# Altium PCB Mynd_Main.PcbDoc (part 2 of 5) (continued)
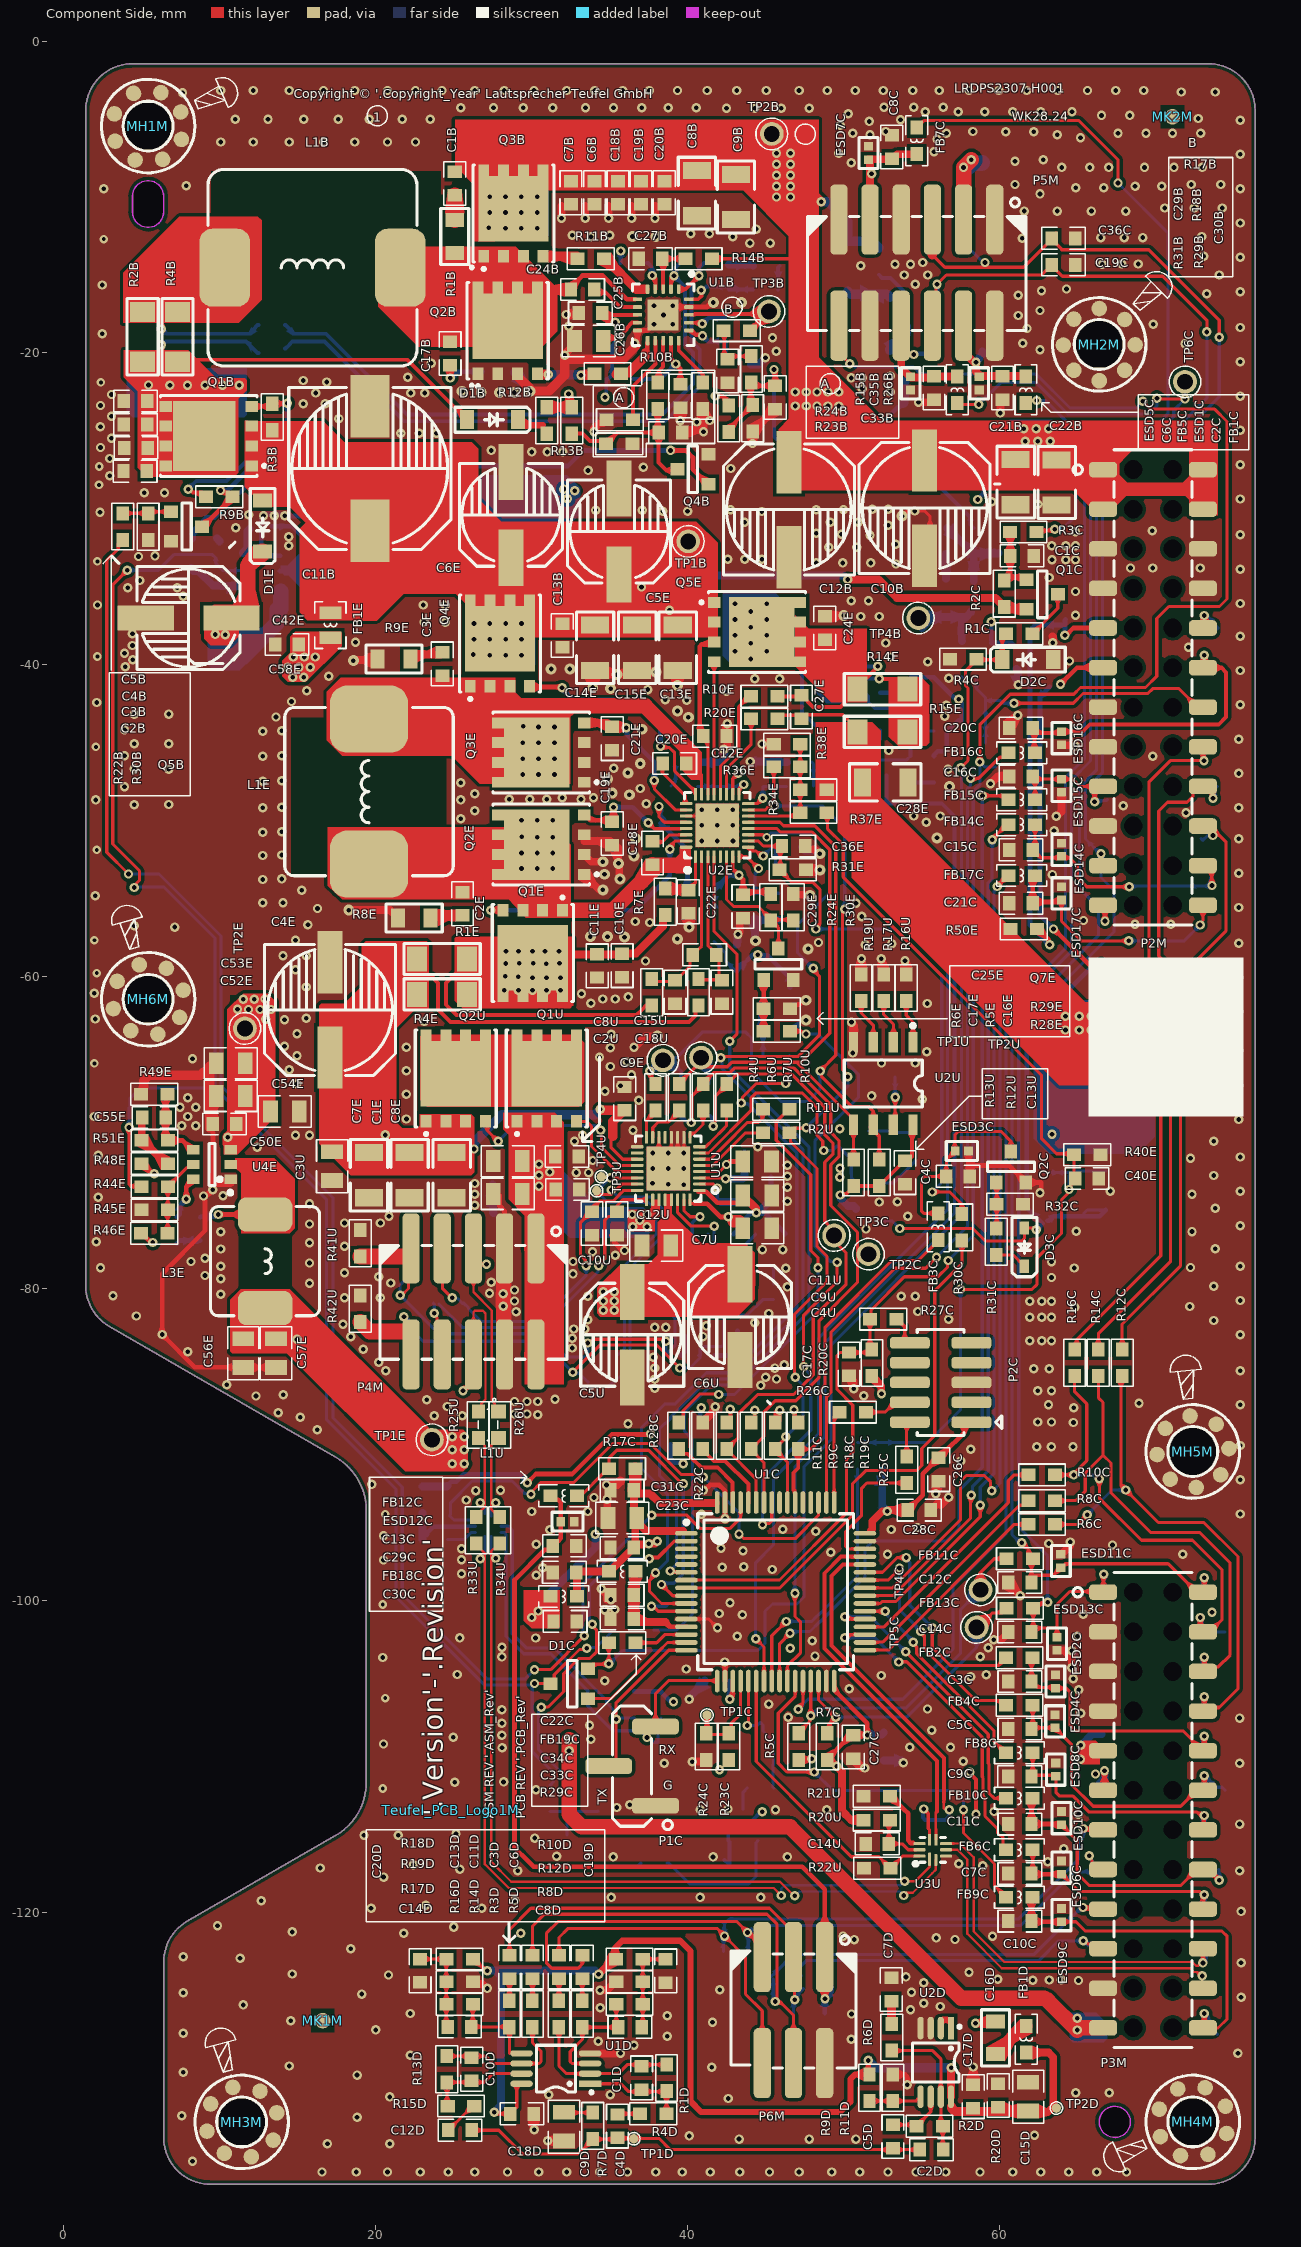
[diagram p0: Component Side view]
## Part data (continued)
R28B: library part Q-001-0991-2, "SMD RES. 54.9KOhm 1/10W 1% 0603", Manufacturer=Multi-Sourced, Temp_Coefficient=150ppm, Tolerance=1%, Part_Number=Generic, Part_Type="Resistor SMT", Wattage=1/10W
R29B: library part Q-001-0041-24, "GPHF SMD RES. 7.5KOHM 1/10W 1% 0603", Manufacturer=Multi-Sourced, Temp_Coefficient=150ppm, Tolerance=1%, Part_Number=Generic, Part_Type="Resistor SMT", Wattage=1/10W
R30E: library part Q-001-0703-20, "PS SMD RES. 220KOHM 1/10W 1% 0603", Manufacturer=Multi-Sourced, Temp_Coefficient=150ppm, Tolerance=1%, Part_Number=Generic, Part_Type="Resistor SMT", Wattage=1/10W
R31C R37C R38C R39C R40C: library part Q-001-0036-49, "PS SMD RES. 10KOHM 1/10W 1% 0603", Manufacturer=Multi-Sourced, Temp_Coefficient=150ppm, Tolerance=1%, Part_Number=Generic, Part_Type="Resistor SMT", Wattage=1/10W
R31E: library part Q-001-0390-19, "PS SMD RES. 30.1KOHM 1/10W 1% 0603", Manufacturer=Multi-Sourced, Temp_Coefficient=150ppm, Tolerance=1%, Part_Number=Generic, Part_Type="Resistor SMT", Wattage=1/10W
R32B: library part Q-001-0577-19, "PS SMD RES. 330OHM 1/4W 5% 1206", Manufacturer=Multi-Sourced, Temp_Coefficient=150ppm, Tolerance=5%, Part_Number=Generic, Part_Type="Resistor SMT", Wattage=1/4W
R32E: library part Q-001-0986-2, "SMD RES. 137KOhm 1/10W 1% 0603", Manufacturer=Multi-Sourced, Temp_Coefficient=150ppm, Tolerance=1%, Part_Number=Generic, Part_Type="Resistor SMT", Wattage=1/10W
R34B: library part Q-001-0062-23, "PS SMD RES. 1MOHM 1/10W 5% 0603", Manufacturer=Multi-Sourced, Temp_Coefficient=150ppm, Tolerance=5%, Part_Number=Generic, Part_Type="Resistor SMT", Wattage=1/10W
R34E R36E: library part Q-001-0421-14, "PS SMD RES. 2Mohm 1/10W 1% 0603", Manufacturer=Multi-Sourced, Temp_Coefficient=150ppm, Tolerance=1%, Part_Number=Generic, Part_Type="Resistor SMT", Wattage=1/10W
R35C: library part Q-001-0388-45, "GPHF SMD RES. 33KOHM 1/10W 1% 0603", Manufacturer=Multi-Sourced, Temp_Coefficient=150ppm, Tolerance=1%, Part_Number=Generic, Part_Type="Resistor SMT", Wattage=1/10W
R35U R36U: library part Q-001-1001-6, "GPHF SMD RES. 249KOhm 1/16W 1% 0402", Manufacturer=Multi-Sourced, Temp_Coefficient=150ppm, Tolerance=1%, Part_Number=Generic, Part_Type="Resistor SMT", Wattage=1/16W
R36C: library part Q-001-0044-22, "GPHF SMD RES. 1MOHM 1/10W 1% 0603", Manufacturer=Multi-Sourced, Temp_Coefficient=150ppm, Tolerance=1%, Part_Number=Generic, Part_Type="Resistor SMT", Wattage=1/10W
R37B: library part Q-001-0202-22, "GPHF SMD RES. 180OHM 1/10W 5% 0603", Manufacturer=Multi-Sourced, Temp_Coefficient=150ppm, Tolerance=5%, Part_Number=Generic, Part_Type="Resistor SMT", Wattage=1/10W
R38E: library part Q-001-0103-19, "PS SMD RES. 560KOHM 1/10W 5% 0603", Manufacturer=Multi-Sourced, Temp_Coefficient=150ppm, Tolerance=1%, Part_Number=Generic, Part_Type="Resistor SMT", Wattage=1/10W
R39U R40U: library part Q-001-0226-61, "GPHF SMD RES. 1MOHM 1/16W 1% 0402", Manufacturer=Multi-Sourced, Temp_Coefficient=150ppm, Tolerance=1%, Part_Number=Generic, Part_Type="Resistor SMT", Wattage=1/16W
R48E: library part Q-001-0483-22, "GPHF SMD RES. 6.8KOHM 1/10W 1% 0603", Manufacturer=Multi-Sourced, Temp_Coefficient=150ppm, Tolerance=1%, Part_Number=Generic, Part_Type="Resistor SMT", Wattage=1/10W
R49E: library part Q-001-0312-26, "PS SMD RES. 13.3KOHM 1/10W 1% 0603", Manufacturer=Multi-Sourced, Temp_Coefficient=150ppm, Tolerance=1%, Part_Number=Generic, Part_Type="Resistor SMT", Wattage=1/10W
Teufel_ASM_Label1M: library part CMP-00088-2, "Teufel_ASM_Rev"
Teufel_Copyright1M: library part CMP-00086-3, "Teufel_Copyright_Year"
Teufel_PCB_Label1M: library part CMP-00087-3, "Teufel_PCB_Label"
Teufel_PCB_Logo1M: library part "Teufel NoLogo", "Teufel PCB NoLogo"
TP1B TP1E TP1U TP2B TP2C TP2E TP2U TP3B TP3C TP4B TP4C TP5C TP6C: library part CMP-00089-1, "Test Point", Design Item ID=TP
TP1C TP1D TP2D TP3U TP4U: library part N-001-00007-3, "Test Point", Design Item ID=TP
TP1M TP2M TP3M TP4M TP5M TP6M TP7C TP7M TP8C TP8M TP9C TP9M TP10M TP11M TP12M TP13M TP14M TP15M TP16M TP17M TP18M TP19M TP20M TP21M TP22M TP23M TP24M TP25M TP26M TP27M TP28M TP29M TP30M TP31M TP32M TP33M TP34M TP35M TP36M TP37M TP38M TP39M TP40M TP41M TP42M TP43M TP44M TP45M TP46M TP47M TP48M TP49M TP50M TP51M TP52M TP53M TP54M TP55M TP56M TP57M TP58M TP59M TP60M TP61M TP62M TP63M TP64M TP65M TP66M TP67M TP68M TP69M: library part N-001-00010-2, "Test Point", Design Item ID=TP
U1B: library part R-001-1799-2, "SMD IC 20P VQFN LM51231QRGRRQ1 TI", Manufacturer=TI, Part_Number=LM51231QRGRRQ1, Part_Type="Semiconductor Integrated Circuit SMT"
U1C: library part R-001-1651-2, "SMD IC 64P LQFP STM32F072RBT6 ST", Manufacturer=ST, Part_Number=STM32F072RBT6, Part_Type="Semiconductor Integrated Circuit SMT"
U1D U2D: library part R-001-1647-2, "SMD IC 8P MSOP SGM358YMS SGMICRO", Manufacturer=SGMICRO, Part_Number=SGM358YMS, Part_Type="Semiconductor Integrated Circuit SMT"
U1E: library part R-001-1947-2, "SMD IC 6P SOT-23 INA181A1IDBVR TI", Manufacturer=TI, Part_Number=INA181A1IDBVR, Part_Type="Semiconductor Integrated Circuit SMT"
U1U: library part R-001-1946-2, "SMD IC 32P VQFN PTPS25751SRSMR TI", Manufacturer=TI, Part_Number=PTPS25751SRSMR, Part_Type="Semiconductor Integrated Circuit SMT"
U2B: library part R-001-0727-13, "GP SMD IC 5P SOT23 SGM7SZ14YN5G/TR SGMICRO", Manufacturer=[SGMICRO], Part_Number=SGM7SZ14YN5G/TR, Part_Type="Semiconductor Integrated Circuit SMT"
U2E: library part R-001-0379-14, "GP SMD IC 32P WQFN BQ25713RSNR TI", Manufacturer=[TI], Part_Number=BQ25713RSNR, Part_Type="Semiconductor Integrated Circuit SMT"
U2U: library part R-001-2127-2, "SMD IC 8P SOP8 FT24C512A-TSR-T", Manufacturer=HUIMANG, Part_Number=FT24C512A-TSR-T, Part_Type="Semiconductor Integrated Circuit SMT"
U3E: library part R-001-0804-28, "GP SMD IC 6P SOT-23 TPS562201DDCR TI", Manufacturer=[TI], Part_Number=TPS562201DDCR, Part_Type="Semiconductor Integrated Circuit SMT"
U3U U4U: library part R-001-1355-8, "GS SMD IC 10P UTQFN SGM7227YUWQ10G SGMICRO", Manufacturer=[SGMICRO], Part_Number=SGM7227YUWQ10G, Part_Type="Semiconductor Integrated Circuit SMT"
U4E: library part R-001-1009-19, "GP SMD IC 6P SOP-23 TPS54302DDCR TI", Manufacturer=[TI], Part_Number=TPS54302DDCR, Part_Type="Semiconductor Integrated Circuit SMT"

## Via types
v1: diameter 0.6, hole 0.3, Component Side to Solder Side, tented both sides, 1239 vias
v2: diameter 0.61, hole 0.305, Component Side to Solder Side, tented both sides, 110 vias
v3: diameter 0.7, hole 0.3, Component Side to Solder Side, tented both sides, 50 vias
v4: diameter 0.55, hole 0.25, Component Side to Solder Side, tented both sides, 15 vias
v5: diameter 0.65, hole 0.3, Component Side to Solder Side, tented both sides, 2 vias
v6: diameter 0.55, hole 0.3, Component Side to Solder Side, tented both sides, 1 vias

## Nets (pads, with @x,y where several pads share a name; then routed paths per layer and width w, separated by ;. In a path a pad name is that pad's centre, name@x,y a point inside that pad or via, vN(x,y) a via of type N, cw(c..) or ccw(c..) an arc to the next point about the centre after c; other vN are vias at no path point)
3V3_ADet: C15D.2 C16D.1 C17D.1 C18D.1 FB1D.2 R9D.1 R10D.1 R18D.1 TP2D.1 U1D.8 U2D.8 | length 71.9
  Component Side w0.2: R18D.1@26.275,-123.005 v1@26.94,-123.669 ; v1(27.592,-132.832) 27.69,-132.93 C18D.1@28.575,-132.93 ; C18D.1@28.63,-132.93 29.042,-132.518 U1D.8@29.042,-130.996 ; R9D.1@51.592,-130.407 v1(51.592,-129.507)
  Component Side w0.4: R10D.1@35.249,-123.014 35.342,-122.922 35.342,-122.307 35.817,-121.832 39.517,-121.832 40.192,-122.507 40.192,-132.142 40.858,-132.808 49.784,-132.808 50.442,-132.15 50.442,-130.707 50.742,-130.407 51.592,-130.407 R9D.1@51.667,-130.407
  Component Side w0.5: v1(34.292,-123.972) R10D.1@35.249,-123.014 ; U2D.8@56.892,-131.832 v1@56.892,-130.007 ; C16D.1@59.867,-132.832 C16D.1@59.917,-132.782 ; FB1D.2@61.717,-129.007 63.158,-129.007 63.451,-129.3 63.451,-132.338 63.651,-132.538 TP2D.1@63.651,-132.565 ; C15D.2@61.842,-132.782 61.892,-132.832 63.092,-132.832 TP2D.1@63.417,-132.507
  Component Side w0.6: v1@56.892,-130.007 v1(56.917,-129.982) ; U2D.8@56.922,-132.46 56.922,-132.562 57.142,-132.782 59.917,-132.782 C15D.2@61.842,-132.782
  Solder Side w0.5: v1(27.148,-123.746) v1@27.175,-123.746 ; v1@27.261,-123.796 27.225,-123.796 v1@27.175,-123.746 ; v1(27.592,-132.832) 28.037,-132.387 28.037,-124.116 27.667,-123.746 ; v1(34.292,-123.972) 34.066,-123.746 27.667,-123.746 ; v1@27.175,-123.746 27.667,-123.746
  Solder Side w0.6: v1(51.592,-129.507) 52.067,-129.982 v1(56.917,-129.982)
3V3_MCU: C22C.1 C23C.1 C24C.1 C25C.1 C26C.1 C27C.1 C28C.1 C29C.1 C31C.1 C32C.1 C35C.2 FB18C.2 FB19C.2 P2C.1 R5C.1 R7C.1 R9C.1 R11C.1 R15C.1 R17C.1 R18C.1 R19C.1 R20C.2 R20U.1 R23C.1 R33C.1 R34C.1 R35E.2 U1C.1 U1C.19 U1C.32 U1C.48 U1C.64 | length 126.5
  Component Side w0.25: R11C.1@42.525,-88.6 42.765,-88.36 42.746,-88.341 v1(42.746,-87.748) ; R9C.1@44.075,-88.55 44.304,-88.32 v1(44.304,-87.816)
  Component Side w0.3: v1(42.7,-106.35) 42.9,-106.15 U1C.19@42.9,-105.175 ; v1(46.82,-87.78) 46.877,-87.837 46.877,-88.378 R19C.1@47.1,-88.6 ; R5C.1@47.125,-110.225 47.899,-110.225 v1(47.967,-110.157) ; U1C.32@49.4,-105.15 U1C.32@49.4,-105.175 49.4,-105.75 51.532,-107.882 v1(51.532,-108.633) 51.521,-108.644 50.636,-108.644 C27C.1@50.625,-108.655 50.375,-108.905 50.22,-108.905 48.95,-110.175 R7C.1@48.95,-110.225 49.16,-110.225 v1(49.567,-110.632) ; C28C.1@53.75,-94.512 53.855,-94.512 54.05,-94.317 C28C.1@54.05,-94.212 ; C28C.1@54.326,-94.028 55.088,-93.266 55.088,-91.886 56.303,-90.671 56.353,-90.671 56.404,-90.62 56.404,-90.57 57.763,-89.211 57.763,-88.784 57.98,-88.567 P2C.1@58.206,-88.567
  Component Side w0.5: C29C.1@32.895,-98.146 32.895,-98.4 32.9,-98.405 FB18C.2@32.9,-99.75 ; C29C.1@32.9,-98.146 35.011,-98.146 C22C.1@36.335,-96.822 ; C22C.1@36.556,-96.622 36.556,-96.572 36.706,-96.422 v1@37.227,-96.422 ; C31C.1@36.556,-92.939 C31C.1@36.556,-92.989 ; C22C.1@36.646,-96.482 36.646,-94.807 C23C.1@36.736,-94.717 36.556,-94.537 C31C.1@36.556,-92.989 ; C23C.1@36.736,-94.942 37.346,-95.552 U1C.1@39.701,-95.552 ; v1(37.508,-96.368) 37.528,-96.348 37.901,-96.348 38.035,-96.215 v1(38.062,-96.215) ; U1C.64@41.8,-93.75 38.2,-93.75 37.594,-93.144 36.999,-93.144 36.994,-93.139 36.706,-93.139 C31C.1@36.556,-92.989 ; R18C.1@45.625,-88.6 45.775,-88.45 45.775,-87.972 45.92,-87.827 v1(45.92,-87.8) ; v1(49.567,-110.632) 49.567,-110.642 49.9,-110.975 49.9,-113.506 50.488,-114.094 R20U.1@51.278,-114.094 ; 51.742,-95.532 51.842,-95.432 51.842,-94.932 52.492,-94.282 v1(52.802,-94.282) 52.829,-94.282 52.899,-94.212 C28C.1@54.05,-94.212 ; R20C.2@51.825,-85.625 51.825,-85.675 52.422,-86.272 52.422,-86.73 v1(52.441,-86.749)
  Component Side w0.8: C31C.1@36.556,-92.939 36.556,-92.889 36.65,-92.795 R17C.1@36.65,-91.55
  Mid Layer 2 w0.8: v1(37.508,-96.368) 37.262,-96.368 36.667,-96.962 36.667,-104.517 40.875,-108.725 40.875,-109.7 v1(42.05,-110.875) 45.096,-110.875 45.844,-110.127 48.482,-110.127 48.512,-110.157 50.008,-110.157 v1(51.532,-108.633) 51.532,-95.552 v1(52.802,-94.282) ; v1@37.862,-96.014 38.832,-95.044 38.832,-91.918 39.301,-91.449 39.329,-91.449 39.549,-91.23 v1(39.713,-91.23) ; 39.406,-91.344 42.642,-88.108 42.642,-87.678 42.677,-87.678 v1(42.746,-87.748) ; v1@42.746,-87.761 v1@44.249,-87.761 ; v1(44.304,-87.816) v1@44.249,-87.761 ; v1(45.92,-87.8) 45.881,-87.761 v1@44.249,-87.761 ; v1@45.961,-87.761 46.801,-87.761 v1(46.82,-87.78) ; v1@46.82,-87.7 46.842,-87.678 48.123,-87.678 49.077,-88.632 51.767,-88.632 52.441,-87.958 v1(52.441,-86.749)
  Solder Side w0.3: R33C.1@36.6,-105.85 R34C.1@38.3,-105.85 38.3,-105.9 v1@38.843,-106.443 ; R15C.1@38.9,-90 38.9,-90.9 39.173,-91.173 39.656,-91.173 v1(39.713,-91.23) ; v1(42.7,-106.35) C24C.1@42.7,-105.15
  Solder Side w0.5: v1(51.532,-108.633) 51.551,-108.614 52.436,-108.614 C25C.1@52.575,-108.475 ; R35E.2@52.486,-91.576 52.486,-93.939 52.802,-94.255 v1(52.802,-94.282) v1@52.829,-94.282
  other v1: 39.1,-106.5
3V3_STB: C4U.2 C26E.2 C30C.1 C34B.2 C45E.1 C46E.1 FB18C.1 L2E.2 P2M.10 P3M.11 P5M.3 R8B.1 R12E.2 R20D.2 R35B.1 R41E.2 TP17M.1 TP26M.1 TP47M.1 U1E.6 U1U.32 U2B.5 | length 362.4
  Component Side w0.2: U1U.32@40.162,-74.308 40.162,-74.558 40.436,-74.558
  Component Side w0.3: 40.436,-74.558 41.258,-74.558 42.12,-75.42 42.58,-75.42 v1(42.6,-75.4) 42.681,-75.4 42.963,-75.682 ; v1@42.6,-75.25 v1@42.681,-75.25 ; C4U.2@43.217,-75.582 43.317,-75.682 43.542,-75.907 C4U.2@43.542,-76.132 ; P3M.11@66.65,-112.18 66.772,-112.058 66.742,-112.028 v1(66.742,-110.932) ; P2M.10@73.142,-37.548 v1(73.142,-36.838)
  Component Side w0.5: v1(58.467,-127.132) R20D.2@59.385,-127.132
  Component Side w0.6: v1(30,-101.1) v1(30.42,-100.68)
  Component Side w0.8: 42.963,-75.682 C4U.2@43.317,-75.682
  Component Side w1: P5M.3@57.7,-11.45 v1(57.7,-8.1) v1(58.2,-7.6)
  Mid Layer 2 w0.3: v1(57.4,-42.2) 57.419,-42.2 59.467,-40.152 v1(59.467,-37.232) ; 59.467,-36.9 v1(59.467,-37.232) ; v1(73.142,-36.838) 72.632,-36.838 cw(c72.632,-34.428) 70.927,-36.132 60.567,-36.132 v1(59.467,-37.232)
  Mid Layer 2 w0.5: v1(34.083,-95.768) 35.9,-93.951 35.9,-89.982 42.6,-83.282 v1(42.6,-75.4)
  Mid Layer 2 w1: v1(30.42,-100.68) v1(30,-101.1) 29.45,-101.1 29.2,-100.85 ; v2(32.067,-28.732) 12.111,-28.732 5.486,-35.357 5.486,-57.023 8.153,-59.69 8.153,-63.363 3.2,-68.316 3.2,-77.304 11.356,-85.46 14.91,-85.46 23.1,-93.65 23.1,-99.55 24.4,-100.85 29.2,-100.85 ; v2@32.174,-29.4 v2@32.742,-28.832 ; v2(32.767,-28.832) 56.568,-28.832 ; v1(58.2,-7.6) 57.2,-8.6 57.2,-28.2 56.568,-28.832 ; v1(58.467,-127.132) 59.718,-127.132 61.167,-125.683 61.167,-115.978 60.581,-115.392 31.856,-115.392 29.2,-112.736 29.2,-100.85 ; 59.467,-36.9 59.017,-36.45 59.017,-30.657 57.192,-28.832 56.568,-28.832 ; 61.67,-115.62 v1(66.157,-111.133) 66.358,-110.932 v1(66.742,-110.932)
  Solder Side w0.3: R41E.2@8.167,-32.082 8.317,-31.932 8.317,-31.358 9.117,-30.558 9.658,-30.558 13.384,-26.832 21.417,-26.832 21.617,-27.032 21.617,-28.157 21.642,-28.182 ; U1E.6@52.35,-41.8 53.305,-41.8 54.305,-40.8 55.8,-40.8 v1@57.143,-42.143 ; R35B.1@53.85,-24.75 56.95,-24.75 59,-26.8 59,-29 v1(58.6,-29.4) ; R12E.2@55.8,-45.85 55.8,-45.8 56.05,-45.55 56.444,-45.55 56.62,-45.374 56.62,-44.305 57.35,-43.575 R8B.1@57.4,-43.575 ; R8B.1@57.55,-43.6 57.575,-43.575 57.575,-42.45 ; v1(59.467,-37.232) 59.484,-37.249 59.484,-38.449 U2B.5@59.501,-38.465 ; U2B.5@59.475,-38.6 60.795,-38.6 C34B.2@61,-38.805 ; v1(73.142,-36.838) 73.155,-36.838 73.957,-37.64 TP26M.1@73.97,-37.64
  Solder Side w0.5: v1(30,-101.1) 30.027,-101.1 30.077,-101.05 30.401,-100.726 30.401,-100.699 30.439,-100.661 30.439,-100.266 34.083,-96.622 34.083,-95.806 v1@34.064,-95.787 ; TP17M.1@66.247,-112.13 66.247,-111.941 66.753,-111.435 66.753,-110.943 v1(66.742,-110.932)
  Solder Side w1: L2E.2@20.442,-34.632 20.442,-32.832 20.892,-32.382 21.056,-32.382 21.642,-31.796 21.642,-30.307 ; 21.642,-28.182 21.642,-30.307 ; v2@32.092,-29.157 v2(32.292,-29.357) 32.292,-28.957 v2@32.092,-28.757 ; v2@32.092,-28.482 v2@32.092,-28.757 ; 58,-8.1 58.262,-7.838 58.862,-7.838 TP47M.1@58.9,-7.8 ; 21.642,-30.307 23.492,-28.457 31.936,-28.457 32.067,-28.588 v2(32.067,-28.732) v2@32.092,-28.757
5V_CCPD: C5U.1 C6U.1 C7U.2 C56E.1 C57E.1 L3E.2 P3M.23 R48E.1 TP1E.1 TP38M.1 U1U.28 U1U.29 | length 121.5
  Component Side w0.2: 38.632,-74.965 38.632,-76.672 C7U.2@38.992,-77.032 ; 38.635,-74.935 38.962,-74.608 U1U.29@38.962,-74.308
  Component Side w0.3: R48E.1@4.965,-71.99 5.015,-71.99 5.618,-72.593 5.743,-72.593 v1(5.8,-72.65) ; C56E.1@11.5,-83.25 13.514,-83.25 13.529,-83.265 v1(14.951,-83.265) ; C56E.1@11.817,-83.482 12.067,-83.732 13.692,-83.732 ; L3E.2@12.667,-81.232 11.923,-81.976 12.575,-81.964 12.68,-81.962 L3E.2@13.065,-81.955 ; L3E.2@13.066,-81.955 L3E.2@13.296,-81.951
  Component Side w1: L3E.2@12.667,-81.432 13.167,-81.432 13.378,-81.643 13.529,-81.643 13.714,-81.828 C57E.1@13.714,-83.225 ; C57E.1@13.514,-83.507 C57E.1@13.514,-83.225 ; C57E.1@13.714,-83.507 14.642,-83.507 21.318,-90.183 TP1E.1@23.067,-90.183 ; v2(32.4,-108.95) v2(32.4,-109.65) 32.4,-113.715 33.217,-114.532 46.567,-114.532 57.542,-125.507 62.69,-125.507 cw(c62.69,-126.122) 63.125,-125.687 v1(64.994,-127.556) ; v1@64.994,-127.42 P3M.23@66.65,-127.42
  Component Side w1.5: C5U.1@36.451,-80.215 36.734,-80.215 39.122,-77.828 39.122,-77.25 39.122,-76.375
  Component Side w2: C5U.1@36.767,-80.566 41.384,-80.566 42.068,-79.882 43.167,-79.882 43.367,-79.682 C6U.1@43.367,-79.082
  Mid Layer 2 w0.3: v1(5.8,-72.65) 5.8,-75.955 6.551,-76.705 6.551,-77.765 12.051,-83.265 v1(14.951,-83.265)
  Mid Layer 2 w0.6: v1(64.994,-127.556) v1(64.994,-126.794)
  Mid Layer 2 w1: 31.367,-90.432 32.4,-91.465 v2(32.4,-108.95)
  Solder Side w1: v1(64.994,-127.556) 66.333,-127.556 TP38M.1@66.347,-127.57
  other v1: 24.9,-91.25 25.685,-91.25 24.9,-90.35 25.685,-90.35 24.9,-89.5 25.685,-89.5 34.6,-81.4 35.3,-81.4 34.6,-80.8 35.3,-80.8 34.6,-80.2 35.3,-80.2
24V: C1B.1 C6B.2 C7B.2 C8B.2 C9B.2 C10B.1 C12B.1 C18B.2 C19B.2 C20B.2 C21B.2 C22B.2 P2M.1 P2M.2 P2M.3 P2M.4 Q3B.5 Q3B.6 Q3B.7 Q3B.8 R14B.1 R32B.2 R34B.2 TP2B.1 TP13M.1 TP14M.1 | length 49.4
  Component Side w0.25: R14B.1@41.558,-13.957 47.092,-13.957
  Component Side w0.6: v1(46.6,-9.3) 46.629,-9.271 47.541,-9.271 v1(48.57,-10.3)
  Component Side w1: Q3B.8@26.808,-8.532 Q3B.8@26.858,-8.482 ; 45.948,-9.551 45.948,-10.048 47.6,-11.7 v1(47.6,-22.5) 47.95,-22.85 47.95,-26.424 47.617,-26.757 ; C12B.1@46.367,-26.757 47.617,-26.757 ; C22B.2@63.892,-26.757 47.617,-26.757
  Solder Side w0.6: v1(48.57,-10.3) 49,-10.3 50.267,-11.567 R32B.2@50.267,-12.832 51.867,-12.832 52.267,-13.232 R34B.2@52.267,-13.282
  other v1: 61.651,-25.665 62.451,-25.665 63.251,-25.665 61.551,-24.865 62.351,-24.865 63.151,-24.865 46.9,-23.4 47.6,-23.4 48.3,-23.4 49,-23.4 49.7,-23.4 46.9,-22.5 48.3,-22.5 49,-22.5 49.7,-22.5 28.323,-12.006 29.339,-12.006 30.355,-12.006 27.251,-11.966 27.307,-10.99 28.323,-10.99 29.339,-10.99 30.355,-10.99 45.7,-10 46.6,-10 27.307,-9.974 28.323,-9.974 29.339,-9.974 30.355,-9.974 45.7,-9.3 45.7,-8.6 46.6,-8.6 45.7,-7.9 46.6,-7.9 45.7,-7.2 46.6,-7.2
\ACOK: D4C.A R13C.2 R35C.1 U2E.4 | length 58.9
  Component Side w0.2: U2E.4@41.7,-52.3 41.7,-57.1 43.175,-58.575 43.175,-63.655 42.92,-63.91 42.92,-63.922 v1(42.7,-64.142)
  Solder Side w0.2: D4C.A@37.825,-101.9 39.3,-101.9 40.317,-100.883 40.317,-100.383 R35C.1@40.4,-100.3 40.316,-100.216 40.316,-90.978 40.292,-90.953 40.292,-89.658 39.8,-89.166 39.8,-87.9 41.5,-86.2 43.075,-86.2 47.78,-81.495 47.78,-70.917 42.706,-65.843 42.706,-64.147 v1(42.7,-64.142)
\Amp_PDN_1: FB17C.1 U1C.39 | length 51.8
  Component Side w0.2: U1C.39@51.375,-100.2 52.352,-100.2 52.472,-100.08 53.334,-100.08 58.771,-94.643 v1(58.771,-93.901) ; v1(59.859,-54.215) 59.859,-54.194 60.538,-53.515 FB17C.1@60.588,-53.515 ; FB17C.1@60.613,-53.515 FB17C.1@60.773,-53.675
  Solder Side w0.2: v1(58.771,-93.901) 58.771,-92.74 59.661,-91.85 59.661,-54.521 59.859,-54.323 v1(59.859,-54.215)
\Amp_SwFlt_1: FB16C.1 U1C.50 | length 54.5
  Component Side w0.2: U1C.50@48.9,-93.725 48.9,-86.966 49.2,-86.666 49.2,-82.8 53.3,-78.7 55.265,-78.7 v1(55.965,-78) ; v1(58.142,-47.282) 58.667,-47.282 60.013,-45.936 60.238,-45.936 60.5,-45.674 FB16C.1@60.5,-45.65
  Solder Side w0.2: v1(55.965,-78) 57.94,-76.025 57.94,-47.95 58.142,-47.748 v1(58.142,-47.282)
\Amp_TwFlt_1: FB14C.1 U1C.40 | length 54.3
  Component Side w0.2: U1C.40@51.35,-99.7 53.177,-99.7 58.156,-94.721 58.156,-93.284 v1(58.185,-93.255) ; v1(59.533,-51.229) 59.533,-51.167 60.45,-50.25 FB14C.1@60.5,-50.25
  Solder Side w0.2: v1(58.185,-93.255) 58.262,-93.179 58.262,-92.712 59.279,-91.695 59.279,-53.975 59.533,-53.721 v1(59.533,-51.229)
\BT_RST: C11C.1 ESD10C.2 FB10C.2 P3M.16 TP24M.1 | length 18
  Component Side w0.2: ESD10C.2@63.978,-114.392 64.003,-114.392 64.178,-114.567 64.178,-114.592 64.994,-115.408 64.994,-117.523 65.756,-118.285 71.625,-118.285 72.65,-117.26 P3M.16@73.05,-117.26 73.43,-117.26 74.1,-117.93 v1(74.1,-117.95)
  Component Side w0.3: FB10C.2@62.134,-112.697 62.056,-112.775 C11C.1@62.056,-114.348 63.934,-114.348 ESD10C.2@63.978,-114.392
  Solder Side w0.2: TP24M.1@74.067,-117.26 74.083,-117.276 74.083,-117.933 v1(74.1,-117.95)
\BTRST: FB10C.1 U1C.37 | length 18.7
  Component Side w0.2: v1(50.075,-101.05) 50.225,-101.2 U1C.37@51.35,-101.2 ; v1(53.984,-103.301) 59.279,-108.596 59.279,-110.456 59.332,-110.509 59.332,-112.369 59.66,-112.697 FB10C.1@60.434,-112.697
  Solder Side w0.2: v1(50.075,-101.05) 51.733,-101.05 v1(53.984,-103.301)
\P_Btn: C2C.1 ESD1C.1 FB1C.2 P5M.4 TP50M.1 | length 7.5
  Component Side w0.5: P5M.4@57.7,-18.25 57.7,-19.936 v1@58.432,-20.668 ; v1(58.5,-20.6) 58.5,-21.207 58.65,-21.357 58.65,-21.5 58.675,-21.525 ESD1C.1@58.7,-21.525 ; ESD1C.1@58.75,-21.475 60.2,-21.475 FB1C.2@61.675,-21.475
  Solder Side w0.5: v1(58.5,-20.6) 58.5,-20.573 58.711,-20.362 58.711,-20.279 58.9,-20.089 TP50M.1@58.9,-19.9
\P_Btn_1: FB1C.1 R3C.2 | length 12.4
  Component Side w0.2: FB1C.1@61.7,-22.9 61.85,-23.05 v1(62.4,-23.05) ; R3C.2@62.475,-31.398 63.451,-31.398 v1(63.542,-31.307)
  Solder Side w0.2: v1(62.4,-23.05) 62.409,-23.059 62.959,-23.059 64.951,-25.051 64.951,-30.365 64.009,-31.307 v1(63.542,-31.307)
\PD_INT: R2U.1 R18C.2 R36E.2 U1C.55 U2E.15 | length 58
  Component Side w0.2: U2E.15@43.9,-49.3 45,-49.3 45.263,-49.037 ; R36E.2@45.525,-46.6 45.525,-48.775 45.263,-49.037 ; v1(45.575,-49.05) 45.562,-49.037 45.263,-49.037 ; v1(46.3,-89.5) 46.3,-89.575 45.625,-90.25 45.625,-90.35 46.4,-91.125 U1C.55@46.4,-93.725 ; v1(46.9,-85.7) 46.862,-85.662 46.862,-81.638 48.94,-79.56 48.94,-77.94 48.3,-77.3 48.3,-72.3 46.607,-70.607 46.607,-70.092 R2U.1@46.54,-70.025 46.84,-69.725 47.575,-69.725 v1(47.6,-69.7) ; v1(50.08,-55.674) 50.08,-55.782 49.936,-55.926 49.936,-65.968 50.28,-66.312 v1(50.28,-66.42)
  Solder Side w0.2: v1(45.575,-49.05) 48.635,-49.05 50.08,-50.495 v1(50.08,-55.674) ; v1(46.3,-89.5) 47.4,-88.4 47.4,-86.2 v1(46.9,-85.7) ; v1(47.6,-69.7) 50.28,-67.02 v1(50.28,-66.42)
\Plug_Det: C13C.1 C18C.1 ESD12C.2 FB12C.2 P6M.1 TP62M.1 | length 54.5
  Component Side w0.3: FB12C.2@31.45,-93.25 31.45,-93.5 31.5,-93.55 31.699,-93.55 31.875,-93.726 31.875,-96.024 31.699,-96.2 31.505,-96.2 31.35,-96.355 31.35,-96.75 30.85,-96.75 28.9,-98.7 28.9,-115.865 29.768,-116.733 30.123,-117.088 47.348,-117.088 48.792,-118.532 P6M.1@48.792,-122.882 48.792,-125.532 v1(48.817,-125.557)
  Solder Side w0.3: C18C.1@48.792,-126.462 48.792,-125.582 v1(48.817,-125.557) 49.242,-125.132 TP62M.1@49.242,-124.757
\Plug_Det_1: FB12C.1 R17C.2 U1C.9 | length 18.4
  Component Side w0.2: FB12C.1@33.15,-93.25 33.2,-93.25 34.6,-91.85 34.9,-91.55 R17C.2@34.95,-91.55 34.95,-90.882 35.458,-90.373 37.499,-90.373 39.638,-92.513 v1(39.736,-92.513) ; v1(38.324,-98.981) 39.043,-99.7 U1C.9@39.925,-99.7
  Solder Side w0.2: v1(38.324,-98.981) 38.401,-98.904 39.112,-98.904 39.721,-98.295 39.721,-92.528 v1(39.736,-92.513)
\PRHOT: R15C.2 U1C.6 U2E.11 | length 67.6
  Component Side w0.2: v1(38.88,-98.12) 38.941,-98.181 39.906,-98.181 U1C.6@39.925,-98.2 ; v1(42.126,-65.199) 42.202,-65.122 42.669,-65.122 42.681,-65.11 47.103,-65.11 48.451,-63.762 48.451,-59.974 48.051,-59.574 v1(48.051,-59.465) ; U2E.11@43.9,-50.9 44.827,-50.9 44.977,-51.05 v6(45.071,-51.05)
  Solder Side w0.2: v1(38.88,-98.12) 38.88,-98.111 39.3,-97.691 39.3,-93.1 38.2,-92 38.2,-89 38.55,-88.65 38.6,-88.65 38.9,-88.35 R15C.2@38.9,-88.3 ; R15C.2@38.9,-88.25 39.2,-87.95 39.213,-87.95 41.363,-85.8 42.937,-85.8 47.4,-81.337 47.4,-71.075 42.202,-65.877 42.202,-65.276 v1(42.126,-65.199) ; v6(45.071,-51.05) 45.273,-50.848 45.336,-50.785 48.051,-50.785 49.114,-51.848 49.114,-54.602 47.051,-56.666 47.051,-58.465 v1(48.051,-59.465)
\UI_Int: C6C.1 ESD5C.2 FB5C.2 P5M.8 TP61M.1 | length 7.4
  Component Side w0.2: P5M.8@53.7,-19.663 54.137,-20.1 v1(54.5,-20.1)
  Component Side w0.5: P5M.8@53.7,-19.663 53.7,-20.95 54.3,-21.55 54.35,-21.55 ESD5C.2@54.3,-21.5 ; ESD5C.2@54.35,-21.575 55.73,-21.575 C6C.1@55.8,-21.505 55.803,-21.502 57.297,-21.502 FB5C.2@57.3,-21.5
  Solder Side w0.2: TP61M.1@55.477,-20.023 TP61M.1@55.6,-19.9
  Solder Side w0.3: v1(54.5,-20.1) 54.557,-20.043 55.457,-20.043 TP61M.1@55.477,-20.023
\UI_Int_1: FB5C.1 TP6C.1 U1C.28 | length 119.6
  Component Side w0.2: v1(47.087,-106.982) 47.087,-106.874 47.4,-106.561 U1C.28@47.4,-105.15 ; FB5C.1@57.3,-23.2 57.4,-23.3 v1(58.68,-23.3) ; v1(70.1,-22.9) 70.15,-22.95 v1(71.9,-22.95)
  Solder Side w0.2: v1(47.087,-106.982) 47.722,-106.347 53.798,-106.347 57.013,-103.132 57.013,-99.138 60.422,-95.729 60.422,-62.561 64.612,-58.371 64.612,-47.4 65.84,-46.172 65.84,-26.585 67.485,-24.94 70.296,-24.94 71.18,-24.056 71.18,-23.67 v1(71.9,-22.95) TP6C.1@71.9,-21.85 ; v1(58.68,-23.3) 60.08,-21.9 62.363,-21.9 64.373,-23.91 69.59,-23.91 70.1,-23.4 v1(70.1,-22.9) ; TP6C.1@71.8,-21.65 TP6C.1@72,-21.45
\UI_Rst: C8C.1 ESD7C.2 FB7C.2 P5M.9 TP63M.1 | length 7.2
  Component Side w0.5: P5M.9@51.7,-11.45 51.7,-8.5 51.7,-7.7 51.65,-7.65 51.65,-7.625 51.625,-7.6 ESD7C.2@51.6,-7.6 51.625,-7.575 53.07,-7.575 C8C.1@53.1,-7.545 53.15,-7.545 53.445,-7.25 FB7C.2@54.7,-7.25
  other v1: 51.8,-8.5
\UI_Rst_1: FB7C.1 U1C.41 | length 120.5
  Component Side w0.2: U1C.41@51.375,-99.2 53.139,-99.2 57.501,-94.838 57.501,-92.377 57.882,-91.996 59.03,-91.996 59.436,-92.402 59.436,-92.887 v1(59.512,-92.964) ; FB7C.1@54.7,-5.55 54.7,-5.5 55,-5.2 55.05,-5.2 55.151,-5.1 65.1,-5.1 67.6,-7.6 v1(67.6,-9.1)
  Solder Side w0.2: v1(59.512,-92.964) 59.58,-92.964 60.041,-92.503 60.041,-62.405 64.232,-58.214 64.232,-47.243 65.46,-46.015 65.46,-26.34 67.3,-24.5 70.199,-24.5 70.8,-23.899 70.8,-12.3 v1(67.6,-9.1)
A\m\p\_\P\D\N\: C21C.1 ESD17C.2 FB17C.2 P2M.24 TP46M.1 | length 16.1
  Component Side w0.2: ESD17C.2@63.978,-55.083 63.978,-56.436 65.248,-57.706 v1(68.296,-57.706) ; 73.05,-56.4 P2M.24@73.05,-55.42
  Component Side w0.3: FB17C.2@62.288,-53.515 62.134,-53.669 C21C.1@62.134,-55.293 62.219,-55.208 63.828,-55.208 63.988,-55.048 ESD17C.2@63.988,-54.983
  Solder Side w0.2: v1(68.296,-57.706) 71.852,-57.706 v1(72.868,-56.69) v1@72.868,-56.582
A\m\p\_\S\w\F\l\t\: C20C.1 ESD16C.2 FB16C.2 P2M.12 TP30M.1 | length 20.8
  Component Side w0.25: C20C.1@62.134,-44.05 62.134,-44.096 62.409,-44.371 ESD16C.2@63.978,-44.371 ; FB16C.2@62.2,-45.65 62.245,-45.605 C20C.1@62.245,-44 ; ESD16C.2@63.978,-44.281 65.343,-44.281 65.792,-43.832 74.067,-43.832 74.542,-43.357 74.542,-40.482 74.24,-40.18 73.142,-40.18 P2M.12@73.05,-40.18 73.142,-40.088 v1(73.142,-39.378)
  Solder Side w0.25: TP30M.1@73.05,-40.18 73.096,-40.134 73.096,-39.424 v1(73.142,-39.378)
A\m\p\_\T\w\F\l\t\: C15C.1 ESD14C.2 FB14C.2 P2M.22 TP44M.1 | length 16.8
  Component Side w0.2: FB14C.2@62.288,-50.25 62.288,-51.71 C15C.1@62.134,-51.864 62.134,-51.914 62.434,-52.214 62.484,-52.214 62.642,-52.372 64.495,-52.372 64.994,-52.871 64.994,-53.642 65.589,-54.237 v1(68.316,-54.237) ; P2M.22@73.05,-52.88 73.226,-52.88 73.615,-53.269 73.615,-54.135 v1(73.63,-54.15)
  Solder Side w0.2: v1(68.316,-54.237) 68.36,-54.193 73.587,-54.193 v1(73.63,-54.15) 73.553,-54.073 TP44M.1@73.553,-53.649
Amp_BCLK: P2M.18 R14C.2 TP41M.1 | length 42
  Component Side w0.2: R14C.2@66.345,-83.915 66.345,-82.905 70.963,-78.287 70.963,-59.424 70.221,-58.682 70.221,-49.375 70.78,-48.816 72.034,-48.816 72.411,-48.439 72.411,-48.189 72.8,-47.8 P2M.18@73.05,-47.8 ; P2M.18@73.491,-47.841 73.65,-48 73.65,-48.5 v1(73.7,-48.55)
  Solder Side w0.2: v1(73.7,-48.55) 73.7,-48.442 73.779,-48.363 73.779,-47.991 TP41M.1@73.97,-47.8
Amp_DATA: P2M.16 R16C.2 TP37M.1 | length 44.6
  Component Side w0.2: R16C.2@65.121,-84.078 65.121,-84.215 R16C.2@64.821,-83.915 64.968,-83.769 64.968,-83.282 70.348,-77.902 70.348,-59.885 69.586,-59.123 69.586,-47.526 70.963,-46.149 v1(73.122,-46.149) 73.05,-46.077 P2M.16@73.05,-45.26
Amp_LRCK: P2M.20 R12C.2 TP42M.1 | length 38.7
  Component Side w0.2: R12C.2@67.869,-83.915 67.869,-82.281 71.618,-78.532 71.618,-59.972 74.539,-57.051 74.539,-51.376 P2M.20@73.649,-50.486 ; P2M.20@73.05,-50.34 73.292,-50.34 P2M.20@73.397,-50.234 ; P2M.20@73.419,-50.256 P2M.20@73.649,-50.486 ; v1(73.692,-50.95) 73.646,-50.904 73.646,-50.488 P2M.20@73.649,-50.486
  Solder Side w0.2: TP42M.1@72.938,-51.15 73.047,-51.259 73.355,-50.95 v1(73.692,-50.95)
Amp_Ver: C16C.1 ESD15C.2 FB15C.2 P2M.17 TP40M.1 | length 8.2
  Component Side w0.2: C16C.1@62.134,-47.15 62.315,-47.331 ESD15C.2@63.978,-47.331 64.698,-47.331 65.167,-47.8 P2M.17@66.65,-47.8 ; FB15C.2@62.288,-48.65 C16C.1@62.288,-47.304 ; v1(66.102,-48.776) 66.102,-48.189 66.065,-48.189 P2M.17@66.454,-47.8
  Solder Side w0.2: v1(66.102,-48.776) 66.166,-48.712 66.856,-48.712 TP40M.1@66.919,-48.649